# Allegro board RK_EXCAVATOR_MAIN_V12_20161114_FZBFINAL.brd (continued)
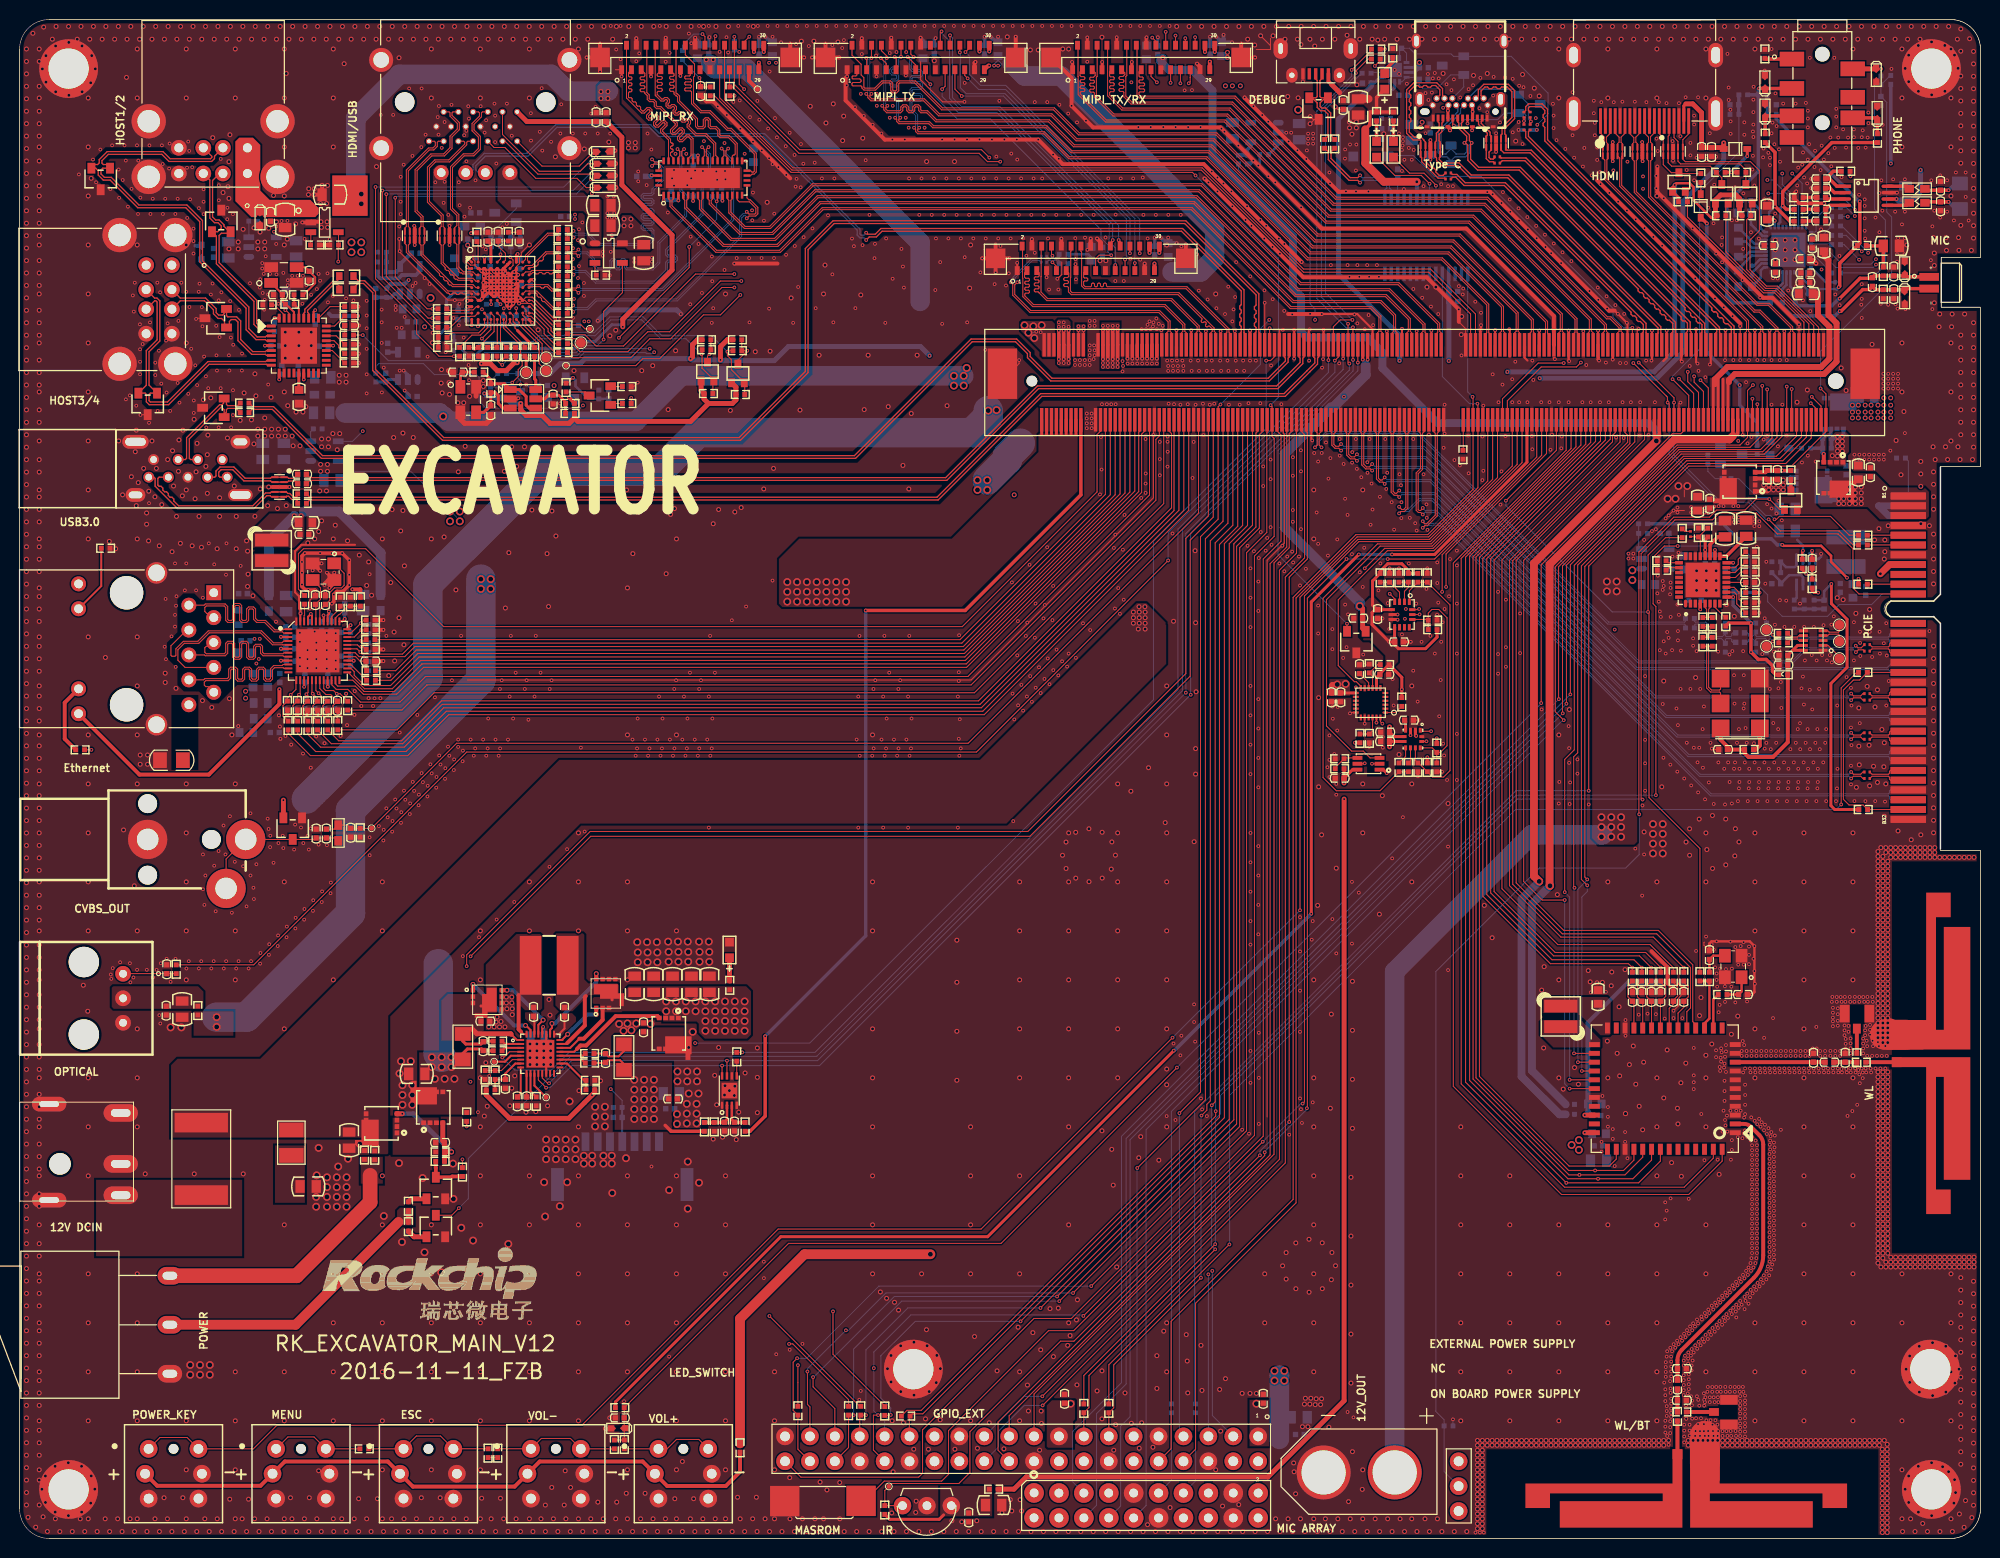
[diagram p0: board, top side]
## Routing (per net, layer and track width the routed paths; a pad name or vN(x,y) marks a point on that pad's centre or on a via; arc(x,y) is an arc through that point) (continued)
HPOL: length 16.9
  TOP w0.35: R7124.1 184.85,142.45 179.84,137.44 v1(179.84,136) 180.21,135.63 R7128.1
  BOTTOM w0.25: U7101.23 179.42,134.17 179.59,134.34 179.59,135.75 v1(179.84,136)
HPOR: length 12
  TOP w0.35: R7122.1 179.05,141.45 v1(179.05,135.95) 180.57,134.43 R7126.1
  BOTTOM w0.25: v1(179.05,135.95) 178.45,135.35 178.45,133.99 U7101.21
HUB_3V3: length 7.5
  TOP w0.2: U8904.29 29.98,125.18 v1(30.15,125.35)
  TOP w0.3: v1(26,124.55) 26.02,124.53 U8904.36 ; U8904.10 v1(26.48,118.28) ; U8904.5 v1(25.03,121.73) ; U8904.23 v1(31.97,121.73)
  TOP w0.305: U8904.15 v1(28.98,118.27)
  TOP w0.4: v1(34.5,124.75) 34.49,124.76 R8906.1
  BOTTOM w0.4: v1(34.5,124.75) 31.8,124.75 31.55,125
HUB_RESET: length 3.1
  TOP w0.102: U8904.26 32.6,123.23 C8907.2 R8907.2
I2C4_SCL_HDMI: length 4.8
  TOP w0.102: R8540.1 R8543.2 49.05,122.13 49.05,124.72 U8503.J5
I2C4_SDA_HDMI: length 3.8
  TOP w0.102: U8503.K5 48.72,121.58 R8542.2 R8541.1
I2C_SCL_AUDIO: length 326.3
  TOP w0.102: v1(182.8,116.5) 183.75,115.55 J9001.309 ; R8543.1 49.58,120.65 v1(49.23,120.29)
  S1 w0.102: J7101.16 121.06,2.09 120,3.15 120,5.3 118.83,6.47 92.63,6.47 91.85,7.25 91.85,11.1 81.91,21.04 81.91,58.69 60.92,79.68 60.92,118.12 64.2,121.41 v1(64.27,121.41) 64.27,121.45 64.84,122.02 96.98,122.02 101.82,117.18 148.59,117.18 150.45,115.32 181.62,115.32 v1(182.8,116.5) 182.8,117.7 188.95,123.85 188.95,130.15 v1(189.35,130.55)
  BOTTOM w0.102: v1(189.35,130.55) 188.85,130.05 185.87,130.05 184.2,131.72 U7101.35 ; v1(64.27,121.41) 57.56,121.41 56.85,120.7 49.64,120.7 v1(49.23,120.29)
I2C_SCL_BAT: length 236.3
  TOP w0.102: v1(136.3,149.56) 136.3,149.76 137.52,150.98 R89546.2 ; U23033.7 v1(72.15,48.75) ; v1(135.5,123.95) J9001.122 135.5,120.03 v1(135.63,119.9) ; U501.13 53.31,46.99 53.85,46.45 v1(54,46.45)
  S1 w0.102: v1(121.25,26.95) 118.95,29.25 v1(118.95,86.31)
  BOTTOM w0.102: v1(135.63,119.9) 135.63,119.23 118.95,102.55 v1(118.95,86.31) 81.39,48.75 v1(72.15,48.75) 56.3,48.75 v1(54,46.45) ; v1(136.3,149.56) 136.12,149.38 136.12,149.12 132.77,145.77 132.77,126.68 v1(135.5,123.95) ; J9002.5 v1(121.25,26.95)
I2C_SCL_CAM: length 141.3
  TOP w0.102: R8316.1 186.63,102.38 184.71,104.3 179.5,104.3 179.2,104 v1(179,104) ; J9001.249 v1(168.75,115.91) 168.75,116.4 v1(165.15,120) ; v1(100.02,140.5) 98.72,140.5 97.87,141.36 79.49,141.36 72.72,148.13 R4602.1 72.4,148.18 J4601.23
  S1 w0.102: v1(100.02,140.5) 100.53,140 104.4,140 107.54,136.86 117.91,136.86 119.54,135.23 147.38,135.23 156.6,126.01 159.14,126.01 v1(165.15,120)
  BOTTOM w0.102: v1(179,104) 178.6,104.4 178.1,104.4 176.47,106.03 173.27,106.03 168.73,110.57 168.73,115.89 v1(168.75,115.91)
I2C_SCL_HDMI: length 18.7
  TOP w0.102: Q4501.2 174.04,136.04 R4501.2 174.04,131.29 177.99,127.34 179.11,127.34 182.5,123.95 J9001.302
I2C_SCL_MEMS: length 54.7
  TOP w0.102: U8002.23 v1(138.4,83.25) ; U8001.1 142.97,82.38 v1(143.97,82.38) ; v1(145.1,96.6) 145.1,100.39 155.25,110.54 J9001.195 ; v1(137.2,79.1) 137.16,79.06 U8005.5 ; U8003.13 142.73,94.28 142.75,94.3 v1(142.8,94.3)
  S1 w0.102: v1(145.1,96.6) v1(142.8,94.3) 142.75,94.25 142.75,92.65 143.97,91.43 v1(143.97,82.38) 143.97,81.17 141.45,78.65 137.65,78.65 v1(137.2,79.1) 137,79.3 137,81.85 v1(138.4,83.25)
I2C_SCL_PCIE: length 4.2
  TOP w0.102: J8301.B5 R8316.2
I2C_SCL_TP: length 78.7
  TOP w0.102: J5001.23 v1(112.75,130.52) ; J4701.23 95.4,147.9 v1(96.1,147.2) ; R4602.2 v1(72.92,147.23) ; v1(118.4,148.5) 118.4,148.5 J4702.23
  S1 w0.102: v1(72.92,147.23) 72.95,147.2 84.47,147.2 85.1,147.83 91.28,147.83 91.9,147.2 v1(96.1,147.2) 117.1,147.2 v1(118.4,148.5)
  BOTTOM w0.102: v1(112.75,130.52) 112.89,130.65 112.89,134.66 100.35,147.2 v1(96.1,147.2)
I2C_SDA_AUDIO: length 322.8
  TOP w0.102: v1(182.7,115.85) 183.25,115.3 J9001.307 ; v1(49.23,119.76) 49.16,119.76 48.68,120.23 R8542.1
  S1 w0.102: J7101.15 119.18,6.7 92.95,6.7 92.24,7.41 92.24,11.31 82.4,21.15 82.4,58.95 61.42,79.93 61.42,117.74 v1(64.73,121.06) 65.39,121.72 96.88,121.72 101.65,116.95 148.5,116.95 150.36,115.09 181.94,115.09 v1(182.7,115.85) 183.2,116.35 183.2,117.7 189.35,123.85 v1(189.35,130)
  BOTTOM w0.102: v1(49.23,119.76) 49.87,120.4 56.95,120.4 57.56,121.01 63.86,121.01 63.96,120.9 64.57,120.9 v1(64.73,121.06) ; v1(189.35,130) 189.05,129.7 185.27,129.7 183.65,131.32 U7101.36
I2C_SDA_BAT: length 239.9
  TOP w0.102: v1(136,123.6) J9001.124 136,120.28 v1(136.01,120.27) ; v1(135.87,149.86) 137.89,151.87 R89547.2 ; v1(53.7,46) 52.91,46.79 U501.12 ; U23033.8 v1(71.65,48.25)
  S1 w0.102: v1(121.65,27.3) 119.25,29.7 119.25,85.9 v1(119.45,86.1)
  BOTTOM w0.102: v1(136,123.6) 135.95,123.55 135.3,123.55 132.32,126.53 132.32,145.67 135.87,149.22 v1(135.87,149.86) ; v1(53.7,46) 54.1,46 56.35,48.25 v1(71.65,48.25) 81.6,48.25 v1(119.45,86.1) 119.45,102.59 136.01,119.14 v1(136.01,120.27) ; J9002.3 121.65,12.55 v1(121.65,27.3)
I2C_SDA_CAM: length 144.7
  TOP w0.102: v1(72.9,153.25) J4601.24 72.9,148.39 79.57,141.72 98.11,141.72 v1(98.92,140.92) ; J9001.247 168.25,115.77 v1(168.1,115.91) 168.1,116.15 168.08,116.18 168.08,116.48 167.97,116.58 v1(164.6,119.95) ; R8317.1 187.02,101.38 185.58,102.82 179.58,102.82 v1(178.4,104)
  S1 w0.102: v1(98.92,140.92) 100.12,139.71 104.19,139.71 107.35,136.55 117.71,136.55 119.34,134.92 147.28,134.92 156.52,125.68 159.12,125.68 164.6,120.2 v1(164.6,119.95)
  BOTTOM w0.102: v1(168.1,115.91) 168.25,115.76 168.25,110.65 173.15,105.75 176.35,105.75 178.1,104 v1(178.4,104) ; R4603.1 72.9,153.24 v1(72.9,153.25)
I2C_SDA_HDMI: length 18.2
  TOP w0.102: J9001.304 183,123.78 179.2,127.57 178.08,127.57 176.17,129.49 176.17,134.57 R4505.2 176.58,136.13 Q4503.2
I2C_SDA_MEMS: length 53.6
  TOP w0.102: J9001.197 155.75,110.72 145.5,100.47 v1(145.5,97.1) ; U8001.11 143.48,81.33 v1(143.5,81.35) ; v1(139,83.15) 138.8,83.35 U8002.24 ; U8005.2 v1(137.94,79.06) ; U8003.14 142.68,94.78 v1(142.75,94.85)
  S1 w0.102: v1(145.5,97.1) 145,97.1 v1(142.75,94.85) 142.35,94.45 142.35,92.67 143.5,91.52 v1(143.5,81.35) 143.5,81.25 141.3,79.06 v1(137.94,79.06) 137.84,79.06 137.25,79.65 137.25,81.5 138.9,83.15 v1(139,83.15)
I2C_SDA_PCIE: length 4.2
  TOP w0.102: J8301.B6 R8317.2
I2C_SDA_TP: length 80.5
  TOP w0.102: v1(118.9,153.1) 118.9,153.1 J4702.24 ; J5001.24 v1(113.25,131.15) ; J4701.24 v1(95.9,151.65)
  S1 w0.102: v1(118.9,153.1) 117.9,152.1 107.86,152.1 107.45,152.5 103.08,152.5 102.78,152.2 97.59,152.2 96.68,151.28 96.27,151.28 v1(95.9,151.65) 92.35,151.65 91.6,152.4 84.89,152.4 84.14,151.65 76.75,151.65 76.3,152.1 73.8,152.1 v1(73.4,151.7)
  BOTTOM w0.102: R4603.2 73.25,151.9 73.4,151.75 v1(73.4,151.7) ; v1(95.9,151.65) 95.95,151.6 95.95,148.05 96.56,147.44 100.51,147.44 113.25,134.7 v1(113.25,131.15)
I2S0_LRCK_RX: length 295
  TOP w0.102: J9001.283 v1(177.25,115.75)
  S1 w0.102: J7101.7 111.09,5.26 110.2,6.15 90.6,6.15 89.6,7.15 89.6,12.65 81.41,20.84 81.41,58.48 60.41,79.48 60.41,118.33 64.41,122.33 100.77,122.33 105.69,117.41 148.84,117.41 150.7,115.55 177.05,115.55 v1(177.25,115.75) 177.57,116.07 180.57,116.07 188.55,124.05 v1(188.55,131.2)
  BOTTOM w0.102: R7109.1 185.87,133.93 188.55,131.25 v1(188.55,131.2)
I2S0_LRCK_RX_HDMIIN: length 147.7
  TOP w0.102: v1(72.91,129.03) 68.94,129.03 61.6,121.69 58.81,121.69 57.67,122.83 56.45,122.83 56.34,122.94 R8529.2
  S1 w0.102: v1(179.79,139.29) 175.72,139.29 173.85,137.41 172.32,137.41 166.99,132.08 157.74,132.08 150.53,139.29 141.89,139.29 141.18,140 128.68,140 127.57,141.12 114.36,141.12 111.51,143.97 93.12,143.97 92.57,143.41 91.85,143.41 78.19,129.74 73.62,129.74 v1(72.91,129.03)
  BOTTOM w0.102: v1(179.79,139.29) 179.79,138.18 181.42,136.54 U7101.28
I2S0_LRCK_TX: length 169.4
  TOP w0.102: v1(157,85.65) 156.97,85.67 156.97,99.17 169.16,111.35 176.5,111.35 177.75,112.6 J9001.285 177.75,117.52 v1(177.75,117.62)
  S1 w0.102: v1(177.75,117.62) 179.22,117.62 186.47,124.87 v1(186.47,134.89)
  BOTTOM w0.102: v1(186.47,134.89) 186.44,134.89 186.43,134.88 R7110.1 ; J7101.5 107.4,5.78 107.4,10.9 112.39,15.89 112.39,41.03 156.95,85.59 156.95,85.6 v1(157,85.65)
I2S0_SCLK: length 291
  TOP w0.102: J9001.281 v1(176.75,116.3)
  S1 w0.102: J7101.3 104.79,5.85 88.2,5.85 87,7.05 87,14.65 80.9,20.75 80.9,58.28 59.91,79.27 59.91,118.54 64.01,122.63 100.95,122.63 105.88,117.7 149.05,117.7 150.43,116.32 176.73,116.32 v1(176.75,116.3) 180.3,116.3 188.3,124.3 188.3,130.93 187.9,131.33 v1(187.9,131.35)
  BOTTOM w0.102: v1(187.9,131.35) 187.9,131.4 186.32,132.98 R7111.1
I2S0_SCLK_HDMIIN: length 150.2
  TOP w0.102: R8528.2 56.39,120.5 62.34,120.5 64.27,122.43 66.4,122.43 71.64,127.66 v1(72.91,127.66)
  S1 w0.102: v1(72.91,127.66) 74.07,127.66 74.94,128.52 78.6,128.52 92.41,142.34 111.21,142.34 113.95,139.6 118.32,139.6 120.05,137.87 133.97,137.87 135.29,136.55 148.39,136.55 155.81,129.13 166.99,129.13 171.25,133.4 171.25,134.11 173.18,136.04 175.62,136.04 177.55,137.97 179.48,137.97 v1(180.8,139.29)
  BOTTOM w0.102: v1(180.8,139.29) 181.82,138.28 U7101.29
I2S0_SDI0: length 303
  TOP w0.102: v1(178.25,117.26) J9001.287
  S1 w0.102: J7101.2 98.45,2.1 96.1,4.45 82.2,4.45 79.4,7.25 79.4,10.97 81.44,13.01 81.44,17.07 79.4,19.11 79.4,57.65 58.41,78.65 58.41,119.16 62.79,123.55 101.15,123.55 106.05,118.65 149.7,118.65 151.09,117.26 v1(178.25,117.26) 179.42,117.26 186.83,124.67 186.83,135.23 v1(187.2,135.6)
  BOTTOM w0.102: v1(187.2,135.6) 186.1,136.7 R7107.1
I2S0_SDI0_HDMIIN: length 147.9
  TOP w0.102: R8530.2 56.34,121.92 57.16,121.11 62.03,121.11 64.07,123.14 66.3,123.14 71.48,128.32 v1(73.62,128.32)
  S1 w0.102: v1(178.26,138.63) 176.39,138.63 174.61,136.86 172.58,136.86 168.71,132.99 168.71,132.08 166.38,129.74 156.73,129.74 149.31,137.16 138.64,137.16 137.93,137.87 136.2,137.87 135.08,138.99 128.38,138.99 127.87,139.5 126.04,139.5 125.23,140.31 114.26,140.31 111.41,143.15 93.33,143.15 93.05,142.88 92.13,142.88 78.39,129.13 74.43,129.13 v1(73.62,128.32)
  BOTTOM w0.102: U7101.27 181.02,136.43 178.82,138.63 v1(178.26,138.63)
I2S0_SDI1: length 143.9
  TOP w0.102: J9001.289 178.75,112.3 177.57,111.12 169.25,111.12 157.38,99.24 157.38,84.22 v1(157.4,84.2)
  BOTTOM w0.102: J7101.10 114.9,3.36 114.9,41.7 v1(157.4,84.2)
I2S0_SDO0: length 299.7
  TOP w0.102: v1(180.25,117.55) J9001.295
  S1 w0.102: v1(187.2,134.95) 187.06,134.81 187.06,124.36 v1(180.25,117.55) 179.59,116.89 150.96,116.89 149.6,118.25 106.05,118.25 101.06,123.24 63.2,123.24 58.91,118.95 58.91,78.85 79.9,57.86 79.9,20.35 81.75,18.5 81.75,6.3 83.24,4.8 97.6,4.8 99,3.4 104.7,3.4 J7101.4
  BOTTOM w0.102: v1(187.2,134.95) 186.31,135.84 R7108.1
I2S0_SDO1: length 146.5
  TOP w0.102: J9001.293 179.75,112.45 177.96,110.66 169.48,110.66 158.18,99.36 v1(158.18,86.13)
  BOTTOM w0.102: v1(158.18,86.13) 112.87,40.83 112.87,15.77 109.85,12.75 109.85,3.39 J7101.6
I2S0_SDO2: length 145.2
  TOP w0.102: J9001.291 179.25,112.35 177.79,110.89 169.35,110.89 157.78,99.32 v1(157.78,85.18)
  BOTTOM w0.102: v1(157.78,85.18) 113.26,40.67 113.26,12.41 112.3,11.45 112.3,3.3 J7101.8
I2S1_LRCK_RX_BT_PCM: length 82.1
  TOP w0.102: J9001.301 181.75,112.39 179.56,110.21 169.8,110.21 158.93,99.33 158.93,80.18 158.52,79.77 158.52,66.48 v1(158.6,66.4) ; U6101.27 v1(158.55,49.5)
  BOTTOM w0.102: v1(158.6,66.4) 158.55,66.35 v1(158.55,49.5)
I2S1_SCLK_BT_PCM: length 85.4
  TOP w0.102: J9001.299 181.25,112.5 179.19,110.44 169.7,110.44 158.58,99.31 158.58,80.48 157.6,79.5 v1(157.6,65.95) ; U6101.30 v1(158.1,46.8)
  BOTTOM w0.102: v1(157.6,65.95) 158.1,65.45 v1(158.1,46.8)
I2S1_SDI0_BT_PCM: length 83.5
  TOP w0.102: U6101.29 v1(159.35,47.7) ; J9001.303 182.25,112.39 179.84,109.98 170.03,109.98 159.3,99.25 159.3,67.25 v1(159.9,66.65)
  BOTTOM w0.102: v1(159.35,47.7) 159.35,65.45 159.9,66 v1(159.9,66.65)
I2S1_SDO0_BT_PCM: length 83.2
  TOP w0.102: J9001.305 182.75,112.3 180.15,109.7 170.16,109.7 159.65,99.19 159.65,67.5 v1(159.9,67.25) ; U6101.28 v1(158.95,48.6)
  BOTTOM w0.102: v1(158.95,48.6) 158.95,66.25 159.9,67.2 v1(159.9,67.25)
I2S_ADCDAT: length 2.4
  BOTTOM w0.102: R7107.2 182.22,134.77 U7101.30
I2S_BCLK: length 2.3
  BOTTOM w0.102: U7101.33 184.37,132.52 R7111.2
I2S_CLK: length 289.8
  TOP w0.102: v1(180.75,117.3) J9001.297
  S1 w0.102: v1(187.63,130.5) 187.48,130.36 187.48,124.04 v1(180.75,117.3) 180.11,116.67 150.53,116.67 149.25,117.95 105.95,117.95 100.96,122.94 63.65,122.94 60.61,119.9 60.61,119.79 60.51,119.68 60.41,119.68 59.41,118.69 59.41,79.06 80.4,58.07 80.4,20.55 84.6,16.35 84.6,6.9 86.1,5.4 97.95,5.4 98.71,4.64 J7101.1
  BOTTOM w0.102: v1(187.63,130.5) 186.1,132.03 R7112.1
I2S_CLK_HDMIIN: length 2.5
  TOP w0.102: R8534.2 57.26,123.85 57.67,123.44 TP50265.1
I2S_DACDAT: length 3.9
  BOTTOM w0.102: U7101.31 183.14,133.32 183.24,133.42 183.24,134.72 184.36,135.84 R7108.2
I2S_LRCK: length 3.5
  BOTTOM w0.102: U7101.32 183.82,132.92 R7109.2 R7110.2
I2S_MCLK: length 2.1
  BOTTOM w0.102: R7112.2 184.75,132.12 U7101.34
I2S_MUTE: length 8.7
  BOTTOM w0.102: R7104.2 117.48,5.94 J7101.11
I2S_RST: length 8.7
  BOTTOM w0.102: J7101.13 119.95,5.87 R7105.2
INTB: length 4.6
  TOP w0.102: R2634.1 32.7,86.2 v1(32.35,86.2) 32.03,86.52 31.23,86.52 31.02,86.73 U2601.20
  BOTTOM w0.102: v1(32.35,86.2) 32.35,85.68 32.25,85.58 R2625.2
IR_RX: length 135.3
  TOP w0.102: IR9001.1 88.26,3.34 R9014.2 88.25,4.89 TP50262.1 88.96,5.6 95.8,5.6 96.93,6.73 96.93,10.88 106.18,20.13 107.54,20.13 v1(126.51,39.1) ; J9001.105 131.25,112.95 131.35,112.85 131.35,99.95 129.5,98.1 v1(129.5,42.5)
  BOTTOM w0.102: v1(129.5,42.5) 126.51,39.51 v1(126.51,39.1)
ISP_FLASHTRIGOUT: length 94.3
  TOP w0.102: J4601.22 71.9,146.85 78.88,139.87 120.63,139.87 130.95,129.54 143.91,129.54 148.5,124.96 J9001.166
ISP_PRELIGHT_TRIG: length 91.7
  TOP w0.102: J9001.164 148,124.96 143.73,129.22 130.95,129.22 120.54,139.64 78.79,139.64 71.4,147.02 J4601.21
LCD_BL_PWM: length 126.4
  TOP w0.102: v1(111.35,130.95) 110.1,130.95 109.75,130.6 J5001.17 ; J4702.17 115.4,149.2 v1(116,148.6) ; v1(171.45,118.2) 172.25,117.4 J9001.263 ; v1(92.9,148.4) 92.4,148.9 J4701.17
  S1 w0.102: v1(116,148.6) 115.55,148.15 96.05,148.15 95.8,148.4 93.14,148.4 93.14,148.4 v1(92.9,148.4) ; v1(171.45,118.2) 169.95,118.2 169.26,118.89 157.51,118.89 147.23,129.17 113.59,129.17 111.8,130.95 v1(111.35,130.95)
  BOTTOM w0.102: v1(111.35,130.95) 111,131.3 111,132.01 110.3,132.71 110.3,133.57 99.02,144.85 95.65,144.85 92.9,147.6 v1(92.9,148.4)
LCD_EN_H: length 147.8
  TOP w0.102: J5001.22 112.25,132.35 v1(112.1,132.5) ; J9001.261 171.75,117.05 170.8,118 v1(170.8,118.6) ; J4701.22 94.9,153.4 v1(94.9,153.4) ; J4702.22 117.9,153.36 v1(117.9,153.37) ; J4601.26 73.9,152.72 v1(74.43,153.25)
  S1 w0.102: v1(170.8,118.6) 170,118.6 169.41,119.19 161.01,119.19 147.08,133.12 113.02,133.12 112.4,132.5 v1(112.1,132.5) ; v1(117.9,153.37) 116.74,153.37 116.43,153.69 95.24,153.69 94.95,153.4 v1(94.9,153.4) 93.75,153.4 93.53,153.62 75.23,153.62 74.86,153.25 v1(74.43,153.25)
  BOTTOM w0.102: v1(112.1,132.5) 112.1,134 99.97,146.13 96.07,146.13 95.15,147.05 95.15,153.15 v1(94.9,153.4)
LCD_RST_H: length 151.9
  TOP w0.102: J9001.259 171.25,116.95 170.15,118.05 v1(170.15,119.05) ; J4701.20 93.9,153.67 v1(94.04,153.8) ; v1(70.98,153.31) 70.9,153.24 J4601.20 ; J5001.20 111.25,132.25 v1(111.5,132.5) ; v1(116.9,153.75) 116.9,153.75 J4702.20
  S1 w0.102: v1(111.5,132.5) 112.4,133.4 147.2,133.4 161.18,119.42 169.78,119.42 v1(170.15,119.05) ; v1(70.98,153.31) 71.31,153.65 74.94,153.65 75.21,153.91 93.79,153.91 93.9,153.8 v1(94.04,153.8) 94.65,153.8 94.76,153.91 116.74,153.91 v1(116.9,153.75)
  BOTTOM w0.102: v1(111.5,132.5) 111.5,134.1 99.75,145.85 95.95,145.85 94.85,146.95 94.85,152.81 94.04,153.62 v1(94.04,153.8)
LED: length 68
  TOP w0.4: R9015.2 73.48,6.8 72.03,5.35 66.05,5.35 U8101.6 63.55,7.85 53.05,7.85 U8102.6 50.49,5.29 40.11,5.29 U8104.6 37.55,7.85 27.05,7.85 U8105.6 24.57,5.37 14.03,5.37 U8917.6
LED0_AD0: length 41.4
  TOP w0.102: R2602.2 35.33,92.7 v1(34.85,92.7) 34.14,91.99 U2601.34 ; R2637.1 v1(7.32,80.48)
  S1 w0.102: v1(34.85,92.7) 35.85,91.7 35.85,86.67 29.65,80.48 15.73,80.48 v1(7.32,80.48)
  BOTTOM w0.102: R2603.1 35.22,92.33 v1(34.85,92.7)
LED1_AD1: length 38.1
  TOP w0.102: R2604.2 35.12,93.72 v1(34.8,93.4) 33.79,92.39 U2601.35
  S1 w0.102: J2601.11 8.65,100.05 20.25,100.05 22.5,97.8 34.1,97.8 34.8,97.1 v1(34.8,93.4)
  BOTTOM w0.102: R2605.1 34.92,93.28 v1(34.8,93.4)
LED2_RXDLY: length 3.1
  TOP w0.102: R2611.2 35.07,91 v1(34.85,91) 34.65,91 34.46,91.19 U2601.32
  BOTTOM w0.102: v1(34.85,91) 35.42,90.43 R2612.1
LIGHT_INT_L: length 49
  TOP w0.102: J9001.183 152.25,109.44 144.08,101.27 138.77,101.27 133.3,95.8 133.3,82.91 135.86,80.35 137.05,80.35 137.74,79.66 U8005.3
LSM_CS: length 23.1
  TOP w0.102: U8003.12 143.61,93.78 R8019.2 ; R8009.1 144.09,80.68 U8001.10 ; R8009.1 R8011.2 ; R8009.1 144.92,80.22 145.6,80.9 145.6,93.95 144.75,94.8 144.05,94.8 143.68,94.43 R8019.2 ; R8019.2 R8017.1
LSM_SA0: length 29.3
  TOP w0.102: U8003.1 141.75,96.71 R8016.1 R8018.2 145.9,95.27 145.9,78.35 145.25,77.7 144.12,77.7 R8008.1 142.69,79.14 R8010.2 142.37,79.39 U8001.9
MAC_COL: length 88.3
  TOP w0.102: R2632.2 95.92,91.72 110.75,106.55 J9001.23
MAC_CRS: length 91
  TOP w0.102: R2633.2 38.35,88.55 40.46,90.66 96.31,90.66 112.25,106.6 J9001.29
MAC_MCLK: length 102.7
  TOP w0.102: J9001.21 110.25,113 109.9,112.65 109.9,106.8 96.15,93.05 43.25,93.05 35.3,101 28.95,101 28.44,100.49 28.44,96.87 R2601.2
MAC_MDC: length 93
  TOP w0.102: J9001.27 111.75,106.51 96.25,91.01 40.31,91.01 39.28,89.98 34.63,89.98 34.23,90.39 U2601.30
MAC_MDIO: length 93.8
  TOP w0.102: J9001.25 111.25,106.51 96.11,91.37 40.17,91.37 39.05,90.25 34.95,90.25 v1(34.75,90.45) 34.41,90.79 U2601.31
  BOTTOM w0.102: R2626.2 35.62,89.58 v1(34.75,90.45)
MAC_RXCLK: length 102.4
  TOP w0.102: R2610.2 38.5,82.52 42.28,86.3 97.39,86.3 116.7,105.61 116.7,114.11 J9001.47
MAC_RXD0: length 111
  TOP w0.102: R2620.2 28.36,82.14 30.2,80.3 39.42,80.3 43.53,84.41 98.24,84.41 118.75,104.92 J9001.55
MAC_RXD1: length 109.1
  TOP w0.102: J9001.53 118.25,104.92 98.09,84.77 43.25,84.77 39.23,80.75 30.7,80.75 29.41,82.04 R2621.2
MAC_RXD2: length 107.1
  TOP w0.102: R2622.2 31.8,81.1 39.08,81.1 43.1,85.12 97.97,85.12 117.75,104.9 J9001.51
MAC_RXD3: length 105.5
  TOP w0.102: R2623.2 32.55,81.4 38.96,81.4 43.03,85.47 97.8,85.47 117.5,105.17 117.5,112.75 117.25,113 J9001.49
MAC_RXDV: length 112.8
  TOP w0.102: J9001.57 119.25,104.92 98.39,84.06 43.76,84.06 39.59,79.89 29.66,79.89 27.38,82.17 R2619.2
MAC_RXER: length 99.7
  TOP w0.102: J9001.45 116.25,112.5 115.9,112.15 115.9,105.95 97.05,87.1 41.55,87.1 38.99,84.54 R2634.2
MAC_TXCLK: length 101.1
  TOP w0.102: U2601.22 31.84,87.56 31.84,87.11 32.3,86.65 33.47,86.65 34.77,85.35 38.79,85.35 41.4,87.96 96.73,87.96 115.25,106.48 J9001.41
MAC_TXD0: length 99.1
  TOP w0.102: J9001.39 114.75,113 114.45,112.7 114.45,106.75 96.59,88.89 41.19,88.89 38.45,86.15 35.07,86.15 34.24,86.98 32.45,86.98 32.22,87.21 U2601.23
MAC_TXD1: length 97.8
  TOP w0.102: J9001.37 114.25,113 114.15,112.9 114.15,106.84 96.56,89.25 41.05,89.25 38.23,86.43 35.13,86.43 33.98,87.59 U2601.24
MAC_TXD2: length 96.7
  TOP w0.102: U2601.25 33.5,88.39 35.18,86.71 38.01,86.71 40.9,89.6 96.46,89.6 113.75,106.89 J9001.35
MAC_TXD3: length 96.3
  TOP w0.102: U2601.26 33.79,88.79 34.13,88.45 34.13,88.09 35.18,87.03 37.83,87.03 40.75,89.95 96.42,89.95 113.25,106.79 J9001.33
MAC_TXEN: length 91.8
  TOP w0.102: R2627.2 37.87,87.57 40.61,90.31 96.37,90.31 112.75,106.69 J9001.31
MASROM_KEY: length 146.5
  TOP w0.102: SW2.1 86.18,3.83 88.2,5.85 94.05,5.85 94.75,6.55 94.75,11 104.95,21.2 107.52,21.2 v1(126.8,40.48) ; J9001.175 150.25,108.08 143.89,101.72 136.6,101.72 131.05,96.18 131.05,44.55 v1(130.87,44.37)
  BOTTOM w0.102: v1(126.8,40.48) 130.69,44.37 v1(130.87,44.37)
MDI0+: length 17.5
  TOP w0.102: J2601.2 18.82,95.24 18.94,95.36 20.97,95.36 21.22,95.11 21.22,93.79 21.33,93.68 21.63,93.68 21.73,93.79 21.73,95.21 21.94,95.41 22.44,95.41 22.65,95.21 22.65,93.79 22.75,93.68 23.05,93.68 23.16,93.79 23.16,94.85 23.36,95.06 23.87,95.06 24.07,94.85 24.07,93.89 24.27,93.68 25.09,93.68 26.05,92.72 26.86,92.72 26.93,92.79 U2601.1
MDI0-: length 17.5
  TOP w0.102: U2601.2 26.94,92.39 26.81,92.52 25.95,92.52 24.98,93.48 24.17,93.48 23.87,93.79 23.87,94.75 23.76,94.85 23.46,94.85 23.36,94.75 23.36,93.68 23.16,93.48 22.65,93.48 22.44,93.68 22.44,95.11 22.34,95.21 22.04,95.21 21.94,95.11 21.94,93.68 21.73,93.48 21.22,93.48 21.02,93.68 21.02,95.01 20.87,95.16 19.04,95.16 18.89,95.01 18.89,94.6 19.09,94.4 19.38,94.4 J2601.3
MDI1+: length 17.5
  TOP w0.102: U2601.4 26.95,91.59 26.76,91.4 25.9,91.4 24.68,92.62 19.24,92.62 18.18,91.55 16.7,91.55 15.94,90.79 15.94,90.13 15.84,90.03 15.54,90.03 15.43,90.13 15.43,91.09 17.04,92.7 J2601.4
MDI1-: length 17.5
  TOP w0.102: U2601.5 26.86,91.19 26.85,91.2 25.8,91.2 24.58,92.41 19.35,92.41 18.28,91.35 16.81,91.35 16.14,90.69 16.14,89.62 16.88,88.89 J2601.7
MDI2+: length 17.5
  TOP w0.102: U2601.7 26.97,90.39 26.86,90.28 24.93,90.28 24.78,90.43 24.78,91.04 24.58,91.25 24.07,91.25 23.87,91.04 23.87,90.03 23.76,89.93 23.46,89.93 23.36,90.03 23.36,91.35 23.16,91.55 22.65,91.55 22.44,91.35 22.44,90.03 22.34,89.93 22.04,89.93 21.94,90.03 21.94,91.35 21.73,91.55 21.22,91.55 21.02,91.35 21.02,90.43 20.87,90.28 19.04,90.28 18.89,90.43 18.89,90.89 19.04,91.04 19.42,91.04 J2601.5
MDI2-: length 17.5
  TOP w0.102: J2601.6 18.86,90.16 18.94,90.08 20.97,90.08 21.22,90.33 21.22,91.25 21.33,91.35 21.63,91.35 21.73,91.25 21.73,89.93 21.94,89.72 22.44,89.72 22.65,89.93 22.65,91.25 22.75,91.35 23.05,91.35 23.16,91.25 23.16,89.93 23.36,89.72 23.87,89.72 24.07,89.93 24.07,90.94 24.17,91.04 24.48,91.04 24.58,90.94 24.58,90.33 24.83,90.08 26.86,90.08 26.96,89.99 U2601.8
MDI3+: length 17.5
  TOP w0.102: U2601.10 26.89,89.19 26.77,89.07 25.91,89.07 25.59,88.76 25.59,87.79 25.49,87.69 25.19,87.69 25.09,87.79 25.09,88.7 24.87,88.91 24.39,88.91 24.17,88.7 24.17,87.79 24.07,87.69 23.76,87.69 23.66,87.79 23.66,88.71 23.46,88.91 22.96,88.91 22.75,88.7 22.75,87.79 22.65,87.69 22.34,87.69 22.24,87.79 22.24,88.71 22.04,88.91 21.53,88.91 21.33,88.71 21.33,87.89 21.17,87.74 18.89,87.74 18.77,87.62 J2601.8
MDI3-: length 17.5
  TOP w0.102: U2601.11 26.97,88.79 26.89,88.86 26,88.86 25.8,88.66 25.8,87.69 25.59,87.49 25.09,87.49 24.88,87.69 24.88,88.6 24.78,88.71 24.48,88.71 24.37,88.6 24.37,87.69 24.17,87.49 23.66,87.49 23.46,87.69 23.46,88.6 23.36,88.71 23.05,88.71 22.95,88.6 22.95,87.69 22.75,87.49 22.24,87.49 22.04,87.69 22.04,88.6 21.94,88.71 21.63,88.71 21.53,88.6 21.53,87.79 21.28,87.54 18.99,87.54 18.84,87.39 18.84,87.08 18.99,86.93 19.22,86.93 J2601.9
MIC_IN1P: length 31.7
  TOP w0.35: J7103.2 ED7104.1 v1(177.43,147.97)
  BOTTOM w0.35: C7102.1 174.85,126.1 174.15,126.8 174.15,136.3 177.34,139.49 R7119.2 ; v1(177.43,147.97) 177.34,147.88 R7119.2 ; R7119.2 R7120.2
MIC_IN2N: length 17.3
  TOP w0.35: v1(185.65,125.25) 185.8,125.25 188,127.45 188.66,127.45 C2507.2 189.31,127.43 R2504.1 C2510.1 192.11,127.43 ED2501.1 192.52,127.55 MIC2500.2
  BOTTOM w0.35: v1(185.65,125.25) 185.15,124.75 180.78,124.75 179.79,125.75 C2501.1
MIC_IN2P: length 15.2
  TOP w0.35: 191.17,128.84 190.1,128.84 ; 191.17,128.84 C2509.1 191.17,128.84 ; 191.17,128.84 192.13,128.84 ED2500.1 192.56,128.75 MIC2500.1 ; 190.1,128.84 R2500.1 190.1,128.84 ; 190.1,128.84 189.15,128.84 C2507.1 188.91,128.6 187.72,128.6 v1(185.65,126.53)
  BOTTOM w0.35: v1(185.65,126.53) 185.58,126.53 184.85,125.8 181.4,125.8 C2500.1
MICBIAS1: length 27
  TOP w0.35: v1(185.55,127.7) 185.65,127.8 185.65,130.14 R2501.2 187.7,132.19 v1(187.7,136.45)
  BOTTOM w0.25: U7101.2 181.82,128.61 182.93,127.5 185.35,127.5
  BOTTOM w0.35: v1(187.7,136.45) 187.6,136.45 179.18,144.87 R7117.1 ; v1(185.55,127.7) 185.35,127.5
MIPI_MCLK0: length 4.5
  TOP w0.102: v1(69.35,149.05) 69.46,148.94 C4601.1 69.48,148.13 R4601.2
  BOTTOM w0.102: v1(69.35,149.05) 67.62,150.77 R89548.1
MIPI_MCLK_T2: length 53
  TOP w0.102: J4601.18 69.9,153.27 v1(69.65,153.52) ; J4702.18 115.9,152.79 v1(115.53,153.16)
  S1 w0.102: v1(115.53,153.16) 115.53,153.06 115.17,152.7 108.57,152.7 107.86,153.42 102.88,153.42 102.27,152.81 95.66,152.81 95.56,152.7 85.3,152.7 84.69,153.31 77.48,153.31 76.87,152.7 70.16,152.7 69.65,153.21 v1(69.65,153.52)
  BOTTOM w0.102: R89548.2 67.62,152.4 68.74,153.52 v1(69.65,153.52)
MIPI_RX0_CLKN: length 84.7
  TOP w0.102: U4601.8 69.19,136.71 69.34,136.56 69.34,135.67 72.54,132.47 77.09,132.47 81.45,136.82 120.02,136.82 130.12,126.72 139.33,126.72 141.65,124.4 141.65,123.18 141.5,123.03 J9001.146
MIPI_RX0_CLKP: length 84.7
  TOP w0.102: J9001.148 142,123.03 141.85,123.18 141.85,124.49 139.41,126.93 130.2,126.93 120.1,137.03 81.36,137.03 77.01,132.67 72.63,132.67 69.54,135.76 69.54,136.56 69.69,136.71 U4601.9
MIPI_RX0_D0N: length 84.6
  TOP w0.102: U4601.14 72.19,136.71 72.34,136.56 72.34,135.27 73.92,133.69 76.59,133.69 80.94,138.04 120.53,138.04 130.62,127.94 140.61,127.94 144.65,123.9 144.65,123.09 144.5,122.95 J9001.158
MIPI_RX0_D0P: length 84.6
  TOP w0.102: J9001.160 145,123.03 144.85,123.18 144.85,123.99 140.69,128.15 130.71,128.15 120.61,138.24 80.86,138.24 76.51,133.89 74.01,133.89 72.54,135.36 72.54,136.56 72.69,136.71 U4601.15